# Altium PCB R3D903.PcbDoc
Units mm, origin at the board's own origin, x right, y up, seen from the top; angles counter-clockwise.
Board outline 100.25 x 100.25 mm, 2 copper layers (Top Layer, Bottom Layer); 111 components, 81 nets, 468 pads, 117 vias.
Unrouted connection lines stored in the file: 58.
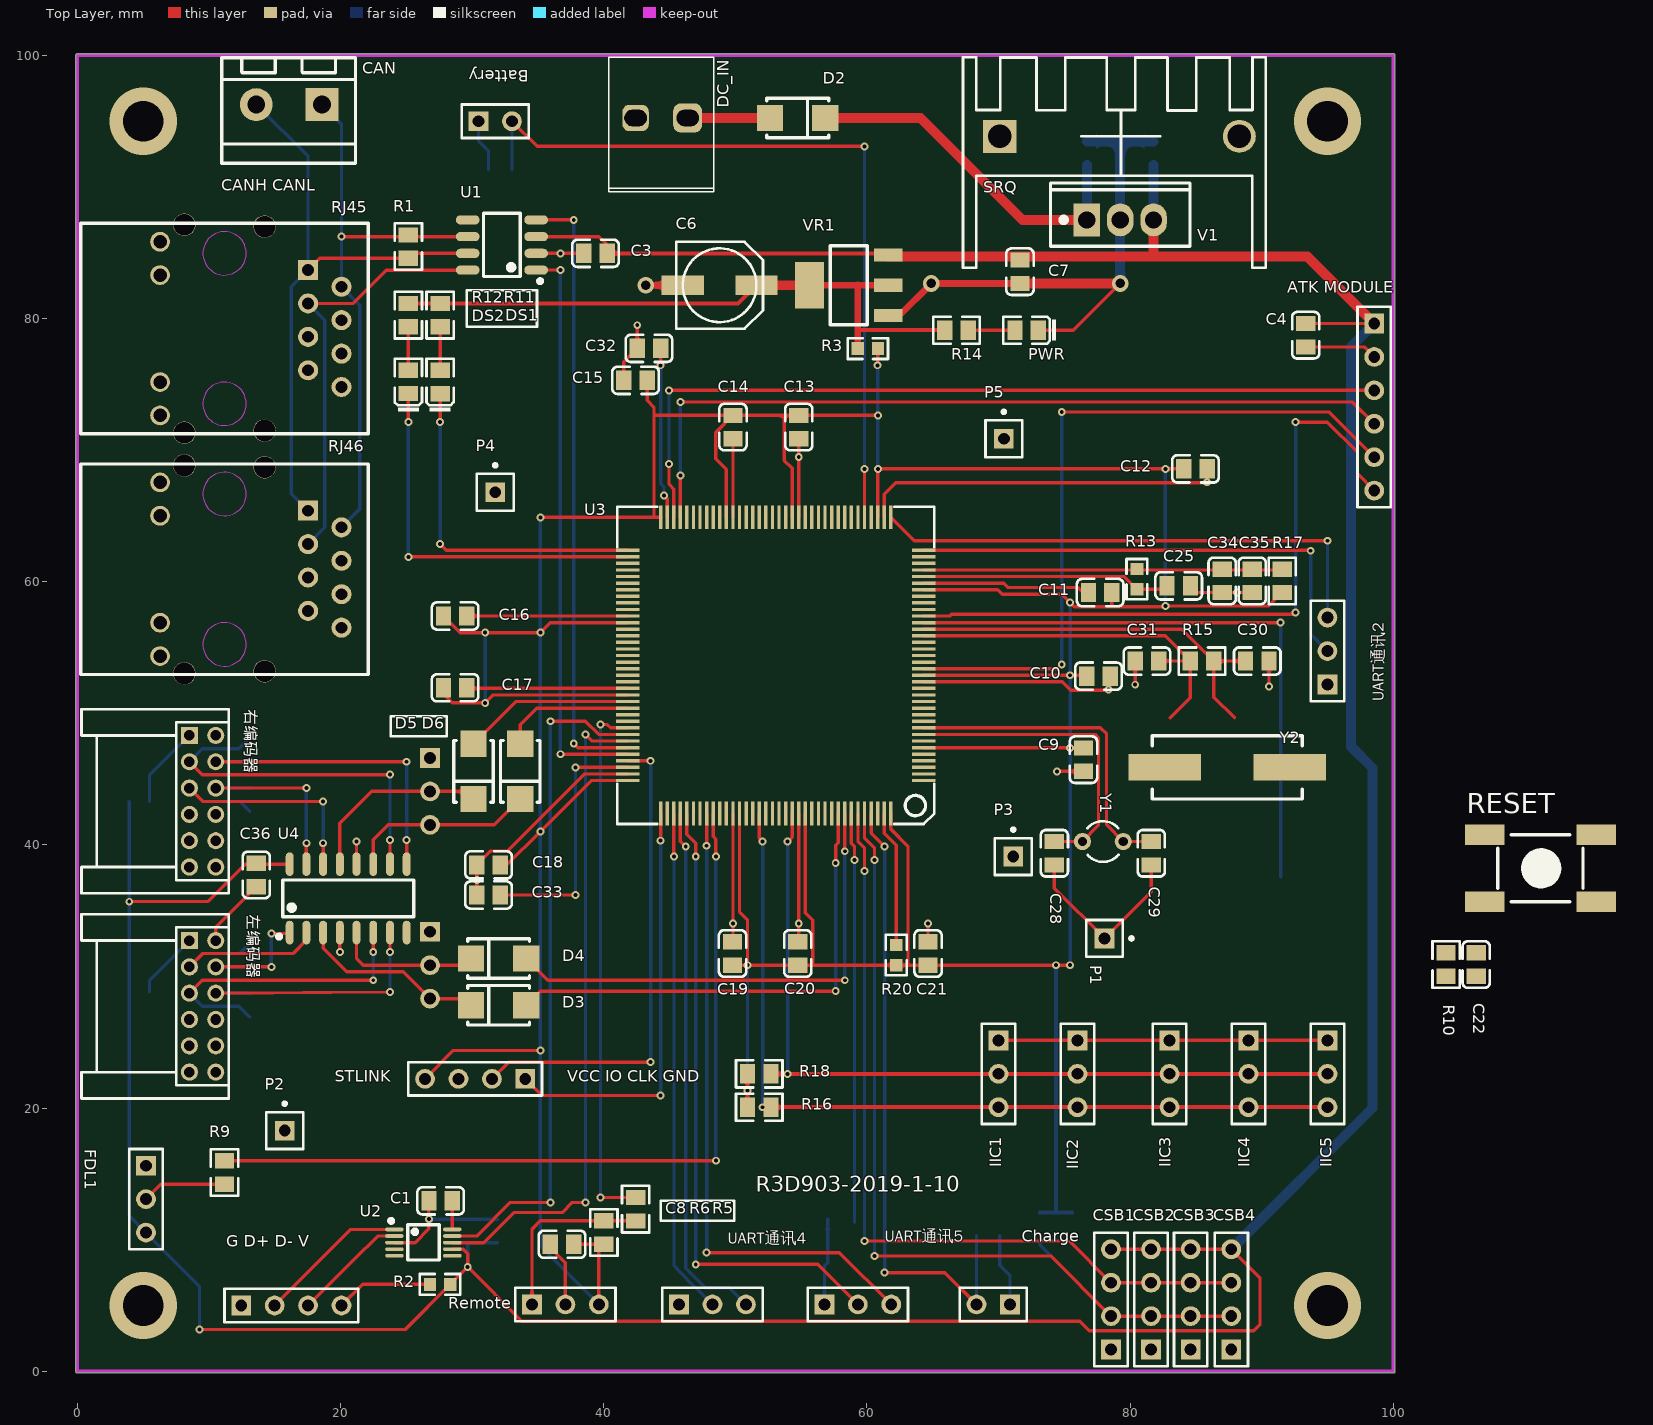
[diagram p0: Top Layer view]
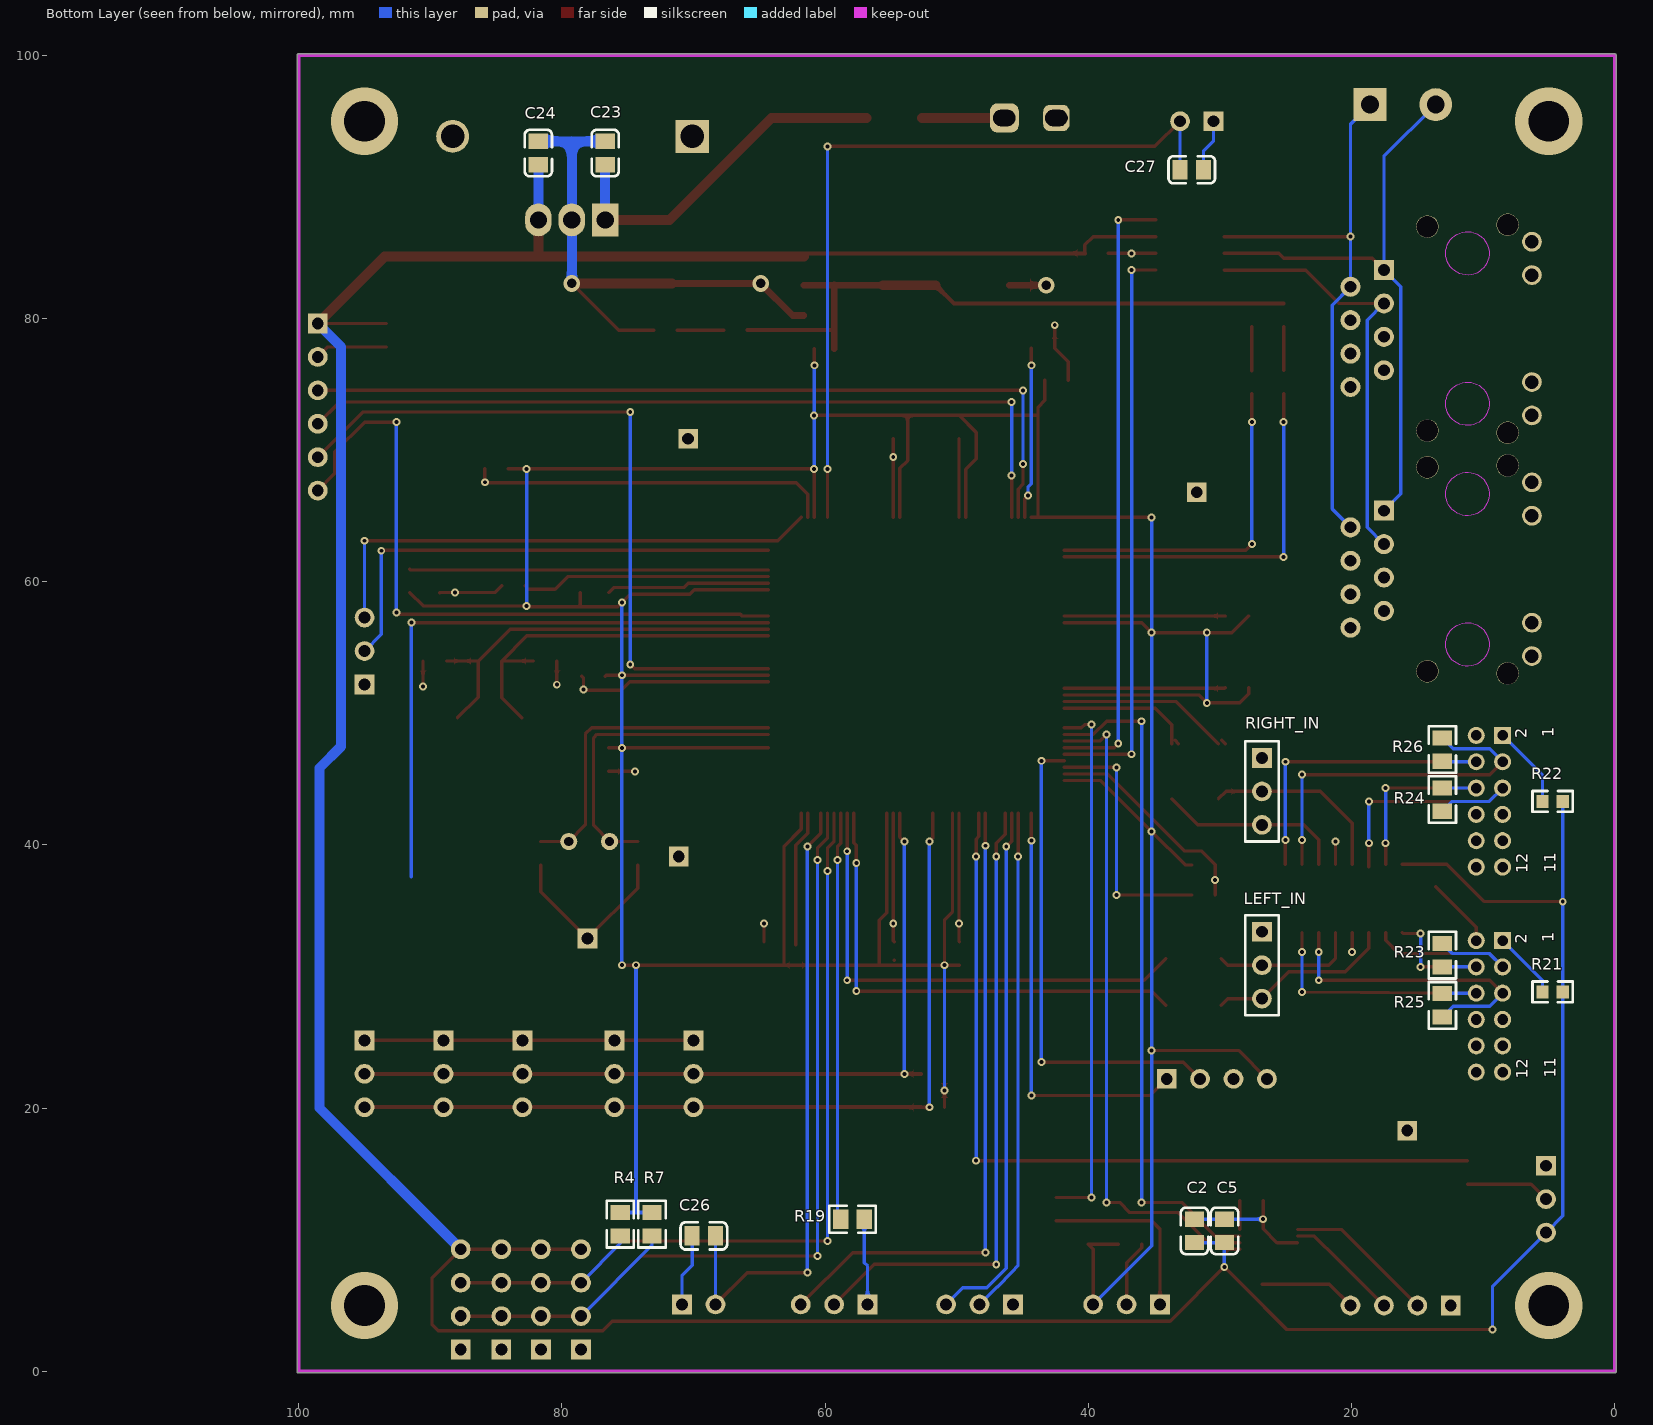
[diagram p1: Bottom Layer view, seen from below]
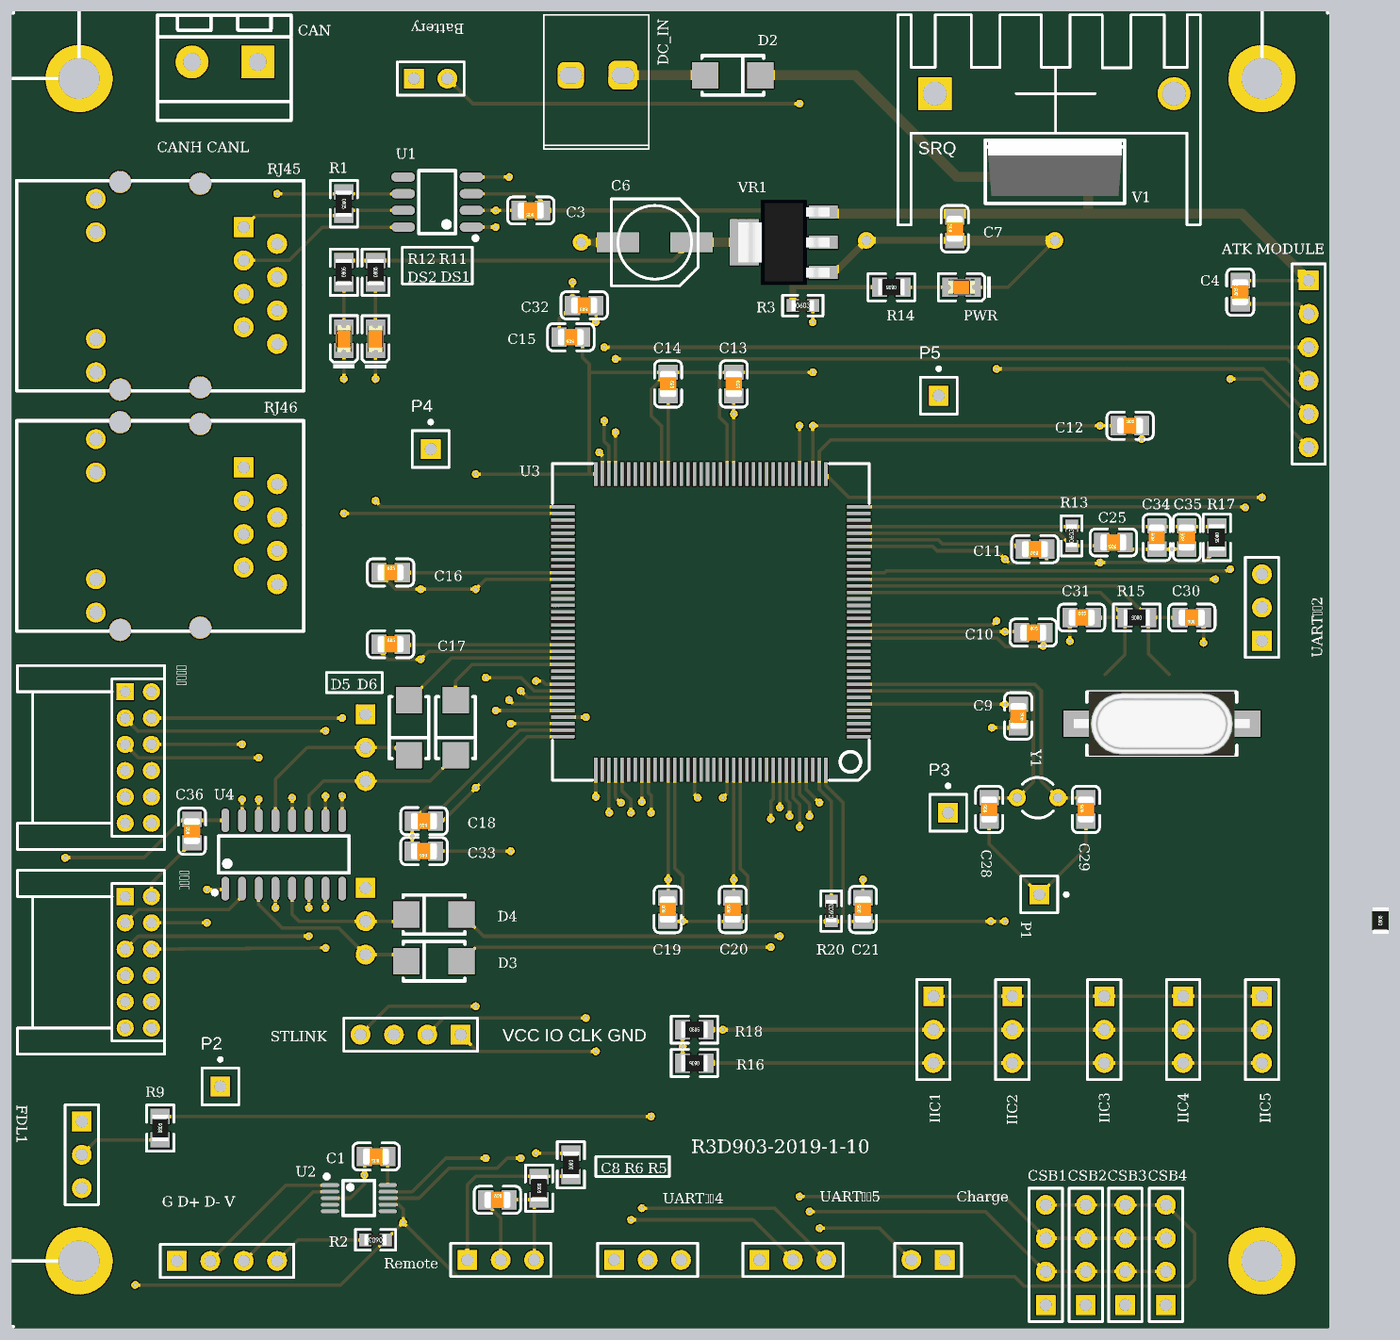
[diagram p2: 3D render of the assembled board from above, using the file's embedded part models]
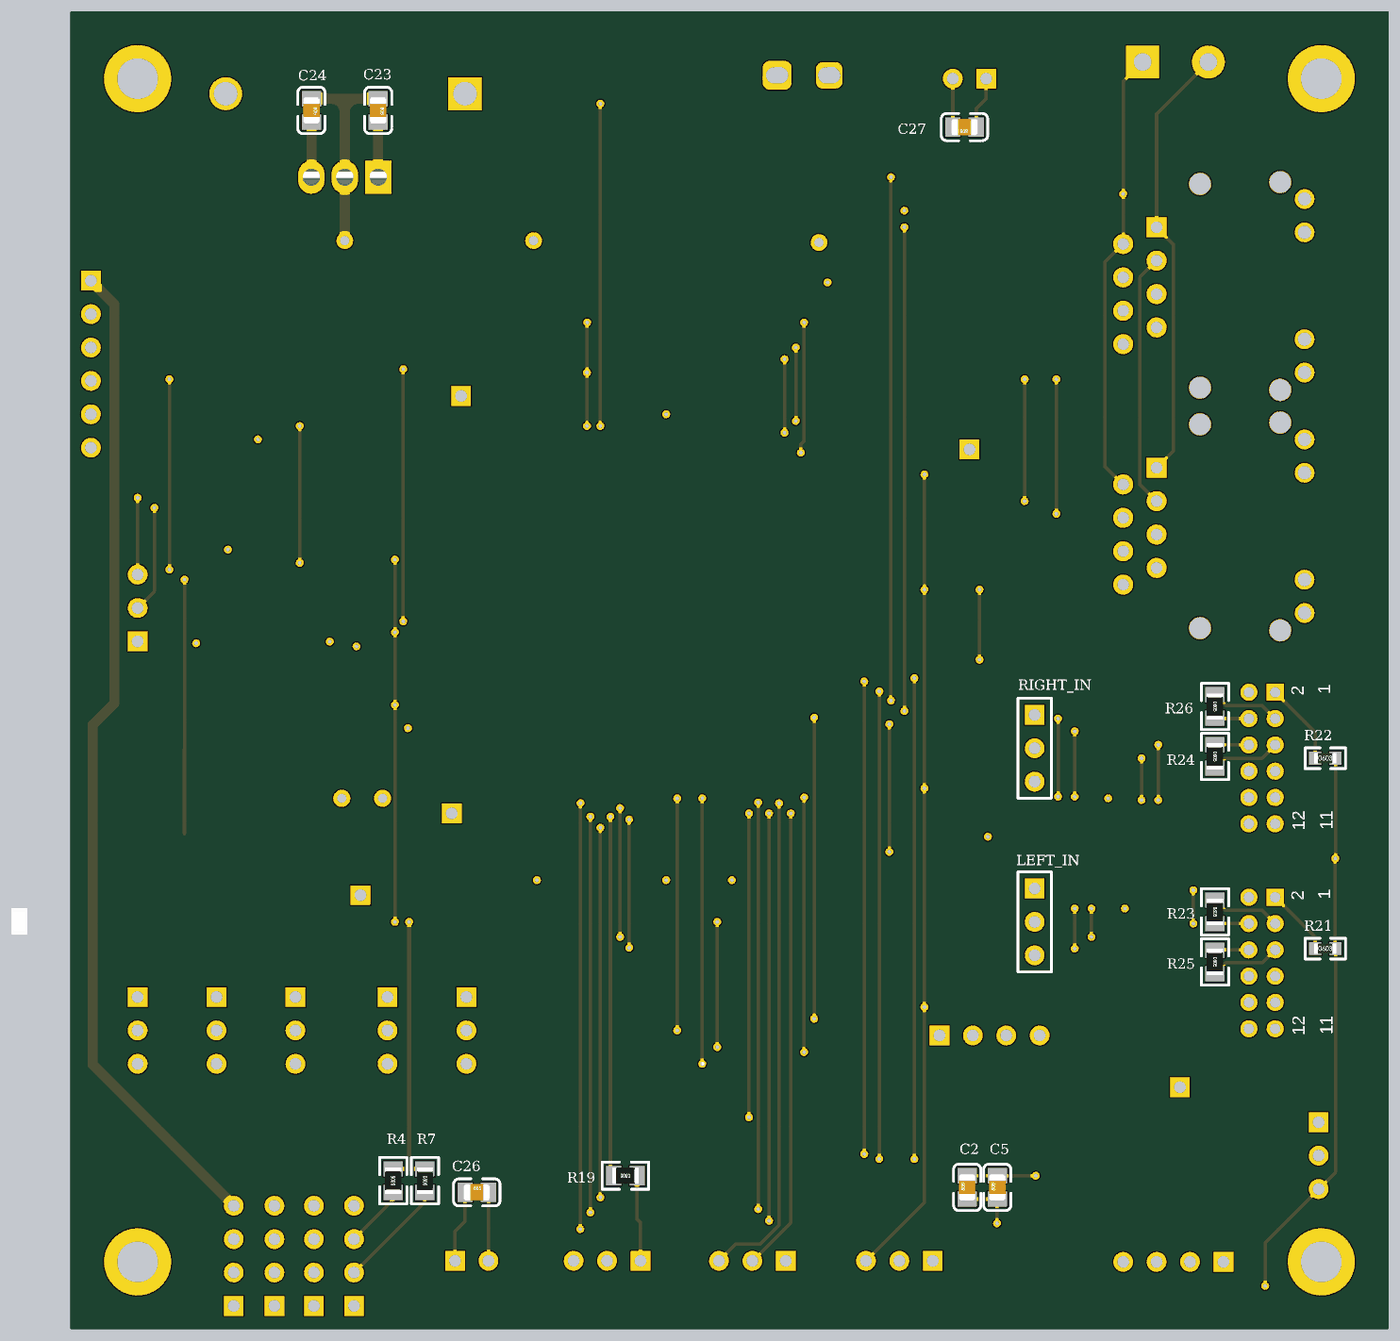
[diagram p3: 3D render of the assembled board from below, using the file's embedded part models]

## Layer stack, top to bottom
Top Solder: solder mask 0.0102, Solder Resist, Dk 3.5
Top Layer: signal copper 0.0356
Dielectric 1: dielectric 0.32, FR-4, Dk 4.8
Bottom Layer: signal copper 0.0356
Bottom Solder: solder mask 0.0102, Solder Resist, Dk 3.5

## Board outline
-0.127,0 ccw(c0,0) 0,-0.127 100,-0.127 ccw(c100,0) 100.127,0 100.127,100 ccw(c100,100) 100,100.127 0,100.127 ccw(c0,100) -0.127,100

## Design rules (kind name [scope] priority, off if disabled: settings)
Clearance [All] p1: gap=0.203 ignorepadtopadclearanceinfootprint=TRUE
PolygonConnect [All] p1: connectstyle=Relief reliefconductorwidth=0.254 reliefentries=4 polygonreliefangle="90 Angle" airgapwidth=0.254
RoutingVias [All] p1: holewidth=0.711 width=1.27 viastyle="Through Hole" minholewidth=0.711 minwidth=1.27 maxholewidth=0.711 maxwidth=1.27
SolderMaskExpansion [All] p1: expansion=0.102
Width [All] p1: maxlimit=0.762 minlimit=0.254 preferedwidth=0.254
30 further rules are at their usual default settings.

## Components (designator, comment, footprint, x,y, rotation, side; value= is the part's Value field where it differs from the comment)
"ATK MODULE" "Header 6" HDR1X6 98.552,79.629 r270 top
Battery "Header 2" HDR1X2 30.48,95 r0 top
C1 "100nF(104) 10% 50V" LC-0805_C 27.599,12.953 r180 top
C2 "100nF(104) 10% 50V" LC-0805_C 31.926,10.668 r90 bottom
C3 "100nF(104) 10% 50V" LC-0805_C 39.37,84.963 r180 top
C4 "100nF(104) 10% 50V" LC-0805_C 93.345,78.739 r90 top
C5 "10uF (106) 10% 25V" LC-0805_C 29.64,10.669 r90 bottom
C6 "22uF" CC6.56.5 48.8,82.536 r180 top
C7 "10uF (106) 10% 25V" LC-0805_C 71.628,83.566 r90 top
C8 "100nF(104) 10% 50V" LC-0805_C 36.831,9.652 r0 top
C9 "100nF(104) 10% 50V" LC-0805_C 76.454,46.482 r270 top
C10 "100nF(104) 10% 50V" LC-0805_C 77.597,52.832 r0 top
C11 "100nF(104) 10% 50V" LC-0805_C 77.724,59.182 r180 top
C12 "100nF(104) 10% 50V" LC-0805_C 84.963,68.58 r0 top
C13 "100nF(104) 10% 50V" LC-0805_C 54.816,71.755 r270 top
C14 "100nF(104) 10% 50V" LC-0805_C 49.816,71.756 r270 top
C15 "100nF(104) 10% 50V" LC-0805_C 42.417,75.311 r180 top
C16 "100nF(104) 10% 50V" LC-0805_C 28.701,57.404 r0 top
C17 "100nF(104) 10% 50V" LC-0805_C 28.701,51.943 r0 top
C18 "100nF(104) 10% 50V" LC-0805_C 31.243,38.481 r180 top
C19 "100nF(104) 10% 50V" LC-0805_C 49.784,31.75 r90 top
C20 "100nF(104) 10% 50V" LC-0805_C 54.737,31.75 r90 top
C21 "100nF(104) 10% 50V" LC-0805_C 64.643,31.75 r90 top
C22 "100nF(104) 10% 50V" LC-0805_C 106.299,30.909 r90 top
C23 "330nF (334) 10% 50V" LC-0805_C 76.708,92.583 r270 bottom
C24 "100nF(104) 10% 50V" LC-0805_C 81.788,92.583 r270 bottom
C25 "2.2uF (225) 20% 50V" LC-0805_C 83.693,59.69 r180 top
C26 "1uF (105) 10% 50V" LC-0805_C 69.214,10.287 r180 bottom
C27 "1uF (105) 10% 50V" LC-0805_C 32.131,91.313 r0 bottom
C28 "1.0pF (010) 0.25pF 50V" LC-0805_C 74.244,39.37 r90 top
C29 "1.0pF (010) 0.25pF 50V" LC-0805_C 81.61,39.37 r90 top
C30 "22pF (220) 5% 50V" LC-0805_C 89.661,53.975 r180 top
C31 "22pF (220) 5% 50V" LC-0805_C 81.278,53.975 r0 top
C32 "2.2uF (225) 20% 50V" LC-0805_C 43.433,77.74 r180 top
C33 "2.2uF (225) 20% 50V" LC-0805_C 31.241,36.195 r180 top
C34 "10uF (106) 10% 25V" LC-0805_C 86.995,60.07 r90 top
C35 "100nF(104) 10% 50V" LC-0805_C 89.281,60.069 r90 top
C36 "1uF (105) 10% 50V" LC-0805_C 13.589,37.719 r90 top
CAN "CAN" HEAD2L-0.8 18.589,96.266 r180 top locked
Charge "Header 2" HDR1X2 70.866,5.08 r180 top
CSB1 "Header 4" HDR1X4 78.547,1.651 r90 top
CSB2 "Header 4" HDR1X4 81.595,1.651 r90 top
CSB3 "Header 4" HDR1X4 84.601,1.651 r90 top
CSB4 "Header 4" HDR1X4 87.691,1.651 r90 top
D2 "SS210" LC-SMA(DO-214AC)_S1 54.737,95.25 r180 top locked
D3 "SS210" LC-SMA(DO-214AC)_S1 32.004,27.813 r0 top
D4 "SS210" LC-SMA(DO-214AC)_S1 32.004,31.369 r0 top
D5 "SS210" LC-SMA(DO-214AC)_S1 30.099,45.593 r90 top
D6 "SS210" LC-SMA(DO-214AC)_S1 33.655,45.593 r90 top
DC_IN "Header 2" "VH-2A - Circle Hole" 46.378,95.25 r180 top locked
DS1 "红灯 0805" LC-0805_LED_S1 27.559,75.184 r90 top
DS2 "翠绿 0805" LC-0805_LED_S1 25.146,75.191 r90 top
FDL1 "Header 3" HDR1X3 5.207,15.621 r270 top
"G D+ D- V" "Header 4" HDR1X4 12.446,5 r0 top locked
IIC1 "Header 3" HDR1X3 70,25.146 r270 top
IIC2 "Header 3" HDR1X3 76,25.146 r270 top
IIC3 "Header 3" HDR1X3 83,25.146 r270 top
IIC4 "Header 3" HDR1X3 89,25.146 r270 top
IIC5 "Header 3" HDR1X3 95,25.146 r270 top
LEFT_IN "Header 3" HDR1X3 26.797,33.401 r270 bottom
P1 "Plug" PIN1 78.054,32.893 r270 top
P2 "Plug" PIN1 15.748,18.288 r0 top
P3 "Plug" PIN1 71.12,39.116 r0 top
P4 "Plug" PIN1 31.751,66.802 r0 top
P5 "Plug" PIN1 70.405,70.865 r0 top
PWR "蓝灯 0805" LC-0805_LED_S1 72.136,79.121 r180 top
R1 "120Ω (1200) ±1%" LC-0805_R 25.146,85.471 r270 top
R2 "1Ω (1R00) ±1%" LC-0603_R 27.559,6.604 r180 top
R3 "0Ω (0R0) ±1%" LC-0603_R 60.063,77.724 r0 top
R4 "4.7KΩ (4701) ±1%" LC-0805_R 75.565,11.176 r90 bottom
R5 "1KΩ (1001) ±1%" LC-0805_R 42.418,12.319 r270 top
R6 "4.7KΩ (4701) ±1%" LC-0805_R 40.005,10.542 r270 top
R7 "4.7KΩ (4701) ±1%" LC-0805_R 73.152,11.176 r270 bottom
R9 "4.7KΩ (4701) ±1%" LC-0805_R 11.176,15.112 r90 top
R10 "10KΩ (1002) ±1%" LC-0805_R 104.013,30.909 r90 top
R11 "510KΩ (5103) ±1%" LC-0805_R 27.559,80.263 r90 top
R12 "510KΩ (5103) ±1%" LC-0805_R 25.146,80.263 r90 top
R13 "0Ω (0R0) ±1%" LC-0603_R 80.518,60.198 r90 top
R14 "510KΩ (5103) ±1%" LC-0805_R 66.802,79.121 r180 top
R15 "1MΩ (1004) ±1%" LC-0805_R 85.47,53.975 r180 top
R16 "4.7KΩ (4701) ±1%" LC-0805_R 51.816,20.066 r180 top
R17 "10Ω (10R0) ±1%" LC-0805_R 91.567,60.07 r270 top
R18 "4.7KΩ (4701) ±1%" LC-0805_R 51.816,22.606 r0 top
R19 "10KΩ (1002) ±1%" LC-0805_R 57.911,11.557 r0 bottom
R20 "0Ω (0R0) ±1%" LC-0603_R 62.23,31.631 r90 top
R21 "0Ω (0R0) ±1%" LC-0603_R 4.699,28.829 r180 bottom
R22 "0Ω (0R0) ±1%" LC-0603_R 4.699,43.307 r180 bottom
R23 "120Ω (1200) ±1%" LC-0805_R 13.081,31.622 r270 bottom
R24 "120Ω (1200) ±1%" LC-0805_R 13.081,43.447 r270 bottom
R25 "120Ω (1200) ±1%" LC-0805_R 13.081,27.813 r270 bottom
R26 "120Ω (1200) ±1%" LC-0805_R 13.081,47.244 r270 bottom
Remote "Header 3" HDR1X3 34.544,5.08 r0 top
RESET "KEY_M" KEY_M 106.943,40.767 r0 top
RIGHT_IN "Header 3" HDR1X3 26.797,46.609 r270 bottom
RJ45 "RJ45" RJ45 11.176,73.525 r90 top locked
RJ46 "RJ45" RJ45 11.176,55.237 r90 top locked
SRQ "SRQ" Hot_Clear 88.304,93.853 r180 top
STLINK "Header 4" HDR1X4 34.036,22.225 r180 top
U1 "CAN/TJA1050T/CM" LC-SOIC-8_150mil 32.258,85.598 r90 top
U2 "CH340E" LC-MSOP-10 26.289,9.779 r270 top locked
U3 "STM32F407ZET6" LQFP144 64.307,44.898 r180 top locked
U4 "AM26LS32ACDRG4" LC-SOIC-16_150mil 20.574,35.941 r0 top
UART通讯2 "Header 3" HDR1X3 94.996,52.197 r90 top (schematic designator UARTͨѶ2)
UART通讯4 "Header 3" HDR1X3 45.72,5.08 r0 top (schematic designator UARTͨѶ4)
UART通讯5 "Header 3" HDR1X3 56.769,5.08 r0 top (schematic designator UARTͨѶ5)
V1 "LM2940" LC-TO-220(TO-220-3) 79.248,87.503 r0 top locked
VR1 "AMS1117-3.3" LC-SOT-223 58.619,82.536 r0 top
Y1 "32.768K" R38 77.927,40.259 r90 top
Y2 "8MHz" LC-HC-49SMD 87.376,45.897 r180 top
右编码器 "HEADER_2X6" PHB_2x6_2.0 8.509,48.323 r270 top locked
左编码器 "HEADER_2X6" PHB_2x6_2.0 8.509,32.734 r270 top locked

## Footprints (in the part's own frame and the unit in brackets; to place one, negate y for a bottom-side part, rotate by r counter-clockwise, add the part's x,y. Pads: shape width x height; smd on the part's side, far side on the other; paste and mask are expansions set on the pad)
CC6.56.5 [mm]
  rect 3.2x1.5 smd: 1(-2.794,0) 2(2.8,0)
  silkscreen extent -3.3,-3.3 3.3,3.3
HDR1X2 [mm] "Connector; Header; 2 Position"
  rect 1.5x1.5 hole 0.9: 1(0,0)
  round 1.5 hole 0.9: 2(2.54,0)
  silkscreen extent -1.27,-1.27 3.81,1.27
HDR1X3 [mm] "Connector; Header; 3 Position"
  rect 1.5x1.5 hole 0.9: 1(0,0)
  round 1.5 hole 0.9: 2(2.54,0) 3(5.08,0)
  silkscreen extent -1.27,-1.27 6.35,1.27
HDR1X4 [mm] "Connector; Header; 4 Position"
  rect 1.5x1.5 hole 0.9: 1(0,0)
  round 1.5 hole 0.9: 2(2.54,0) 3(5.08,0) 4(7.62,0)
  silkscreen extent -1.27,-1.27 8.89,1.27
HDR1X6 [mm] "Connector; Header; 6 Position"
  rect 1.5x1.5 hole 0.9: 1(0,0)
  round 1.5 hole 0.9: 2(2.54,0) 3(5.08,0) 4(7.62,0) 5(10.16,0) 6(12.7,0)
  silkscreen extent -1.27,-1.27 13.97,1.27
HEAD2L-0.8 [mm]
  rect 2.5x2.5 hole 1.35: 1(0,0)
  round 2.5 hole 1.35: 2(5,0)
  silkscreen extent -2.54,-3.56 7.62,4.45
Hot_Clear [mm] "散热片"
  rect 2.55x2.5 hole 1.8: 1(18.2,0)
  round 2.5 hole 1.8: 2(0,0)
  silkscreen extent -2,-6 21,10, body extent -2.01,-5.99 21.01,10.01, height 25